# KiCad board EnvKB_HS.kicad_pcb (continued)
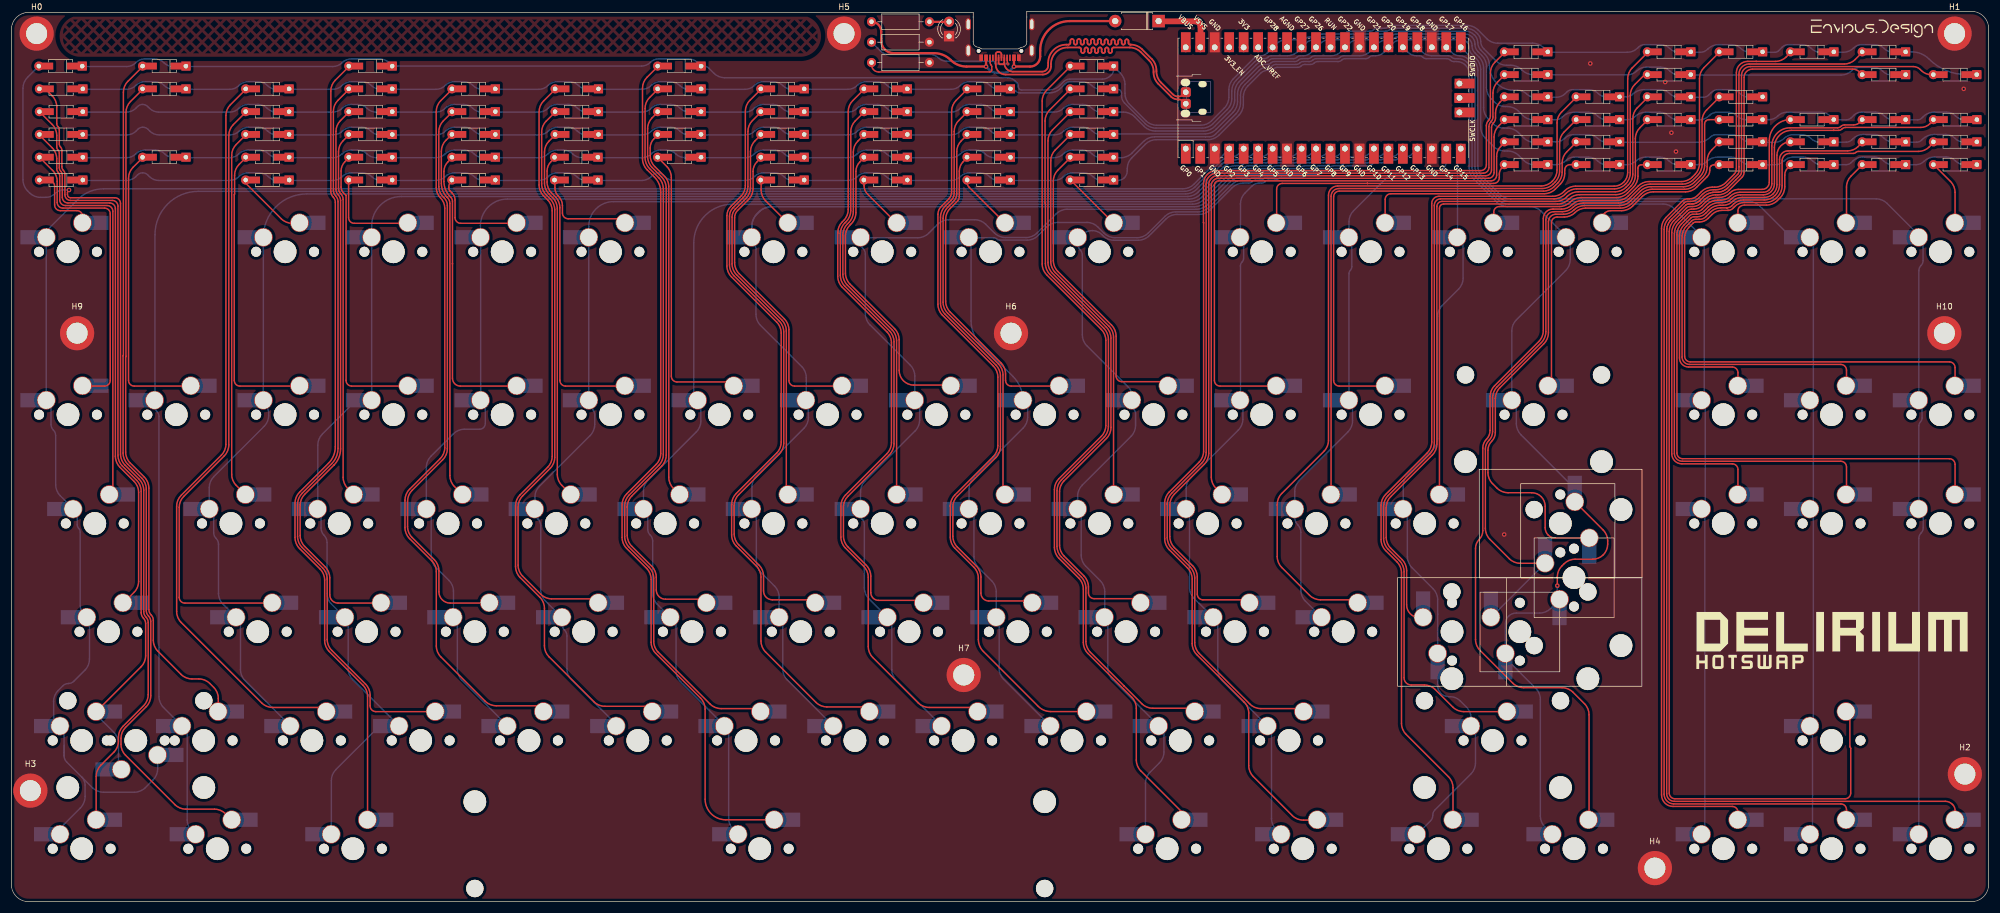
[diagram p0: board, top side]
## Routing (per net, layer and track width the routed paths; a pad name or vN(x,y) marks a point on that pad's centre or on a via; arc(x,y) is an arc through that point) (continued)
Net-(RESISTOR1-Pad2): length 24.2
  Top w0.25: 171.77,148.14 arc(171.78,148.14) 171.78,148.14 171.78,147.27 arc(171.82,147.04) 171.95,146.85 arc(172.02,146.74) 172.05,146.61 172.05,146 arc(171.95,145.75) 171.7,145.65 152.22,145.65 arc(151.33,146.02) 150.95,146.92

## Copper pours and planes (outline as drawn; the poured copper is in the pictures)
GND on Top: 347,0 0,0 0,156.1 347,156.1
GND on Bottom: 347,0 0,0 0,156.1 347,156.1
(no net) on Top: 142.09,148.31 8.46,148.31 8.46,155.57 142.09,155.57

## Text on the board
B.Silkscreen: ANSI BACKSLASH | ISO ENTER | ANSI Left Shift | ANSI ENTER
User.Comments: THIS IS INTENTIONAL
